# Altium PCB PCBrm.PcbDoc (part 7 of 7)
Units mm, origin at the board's own origin, x right, y up, seen from the top; angles counter-clockwise.
Board outline 220.73 x 137.67 mm, 2 copper layers (Top Layer, Bottom Layer); 138 components, 115 nets, 746 pads, 210 vias.
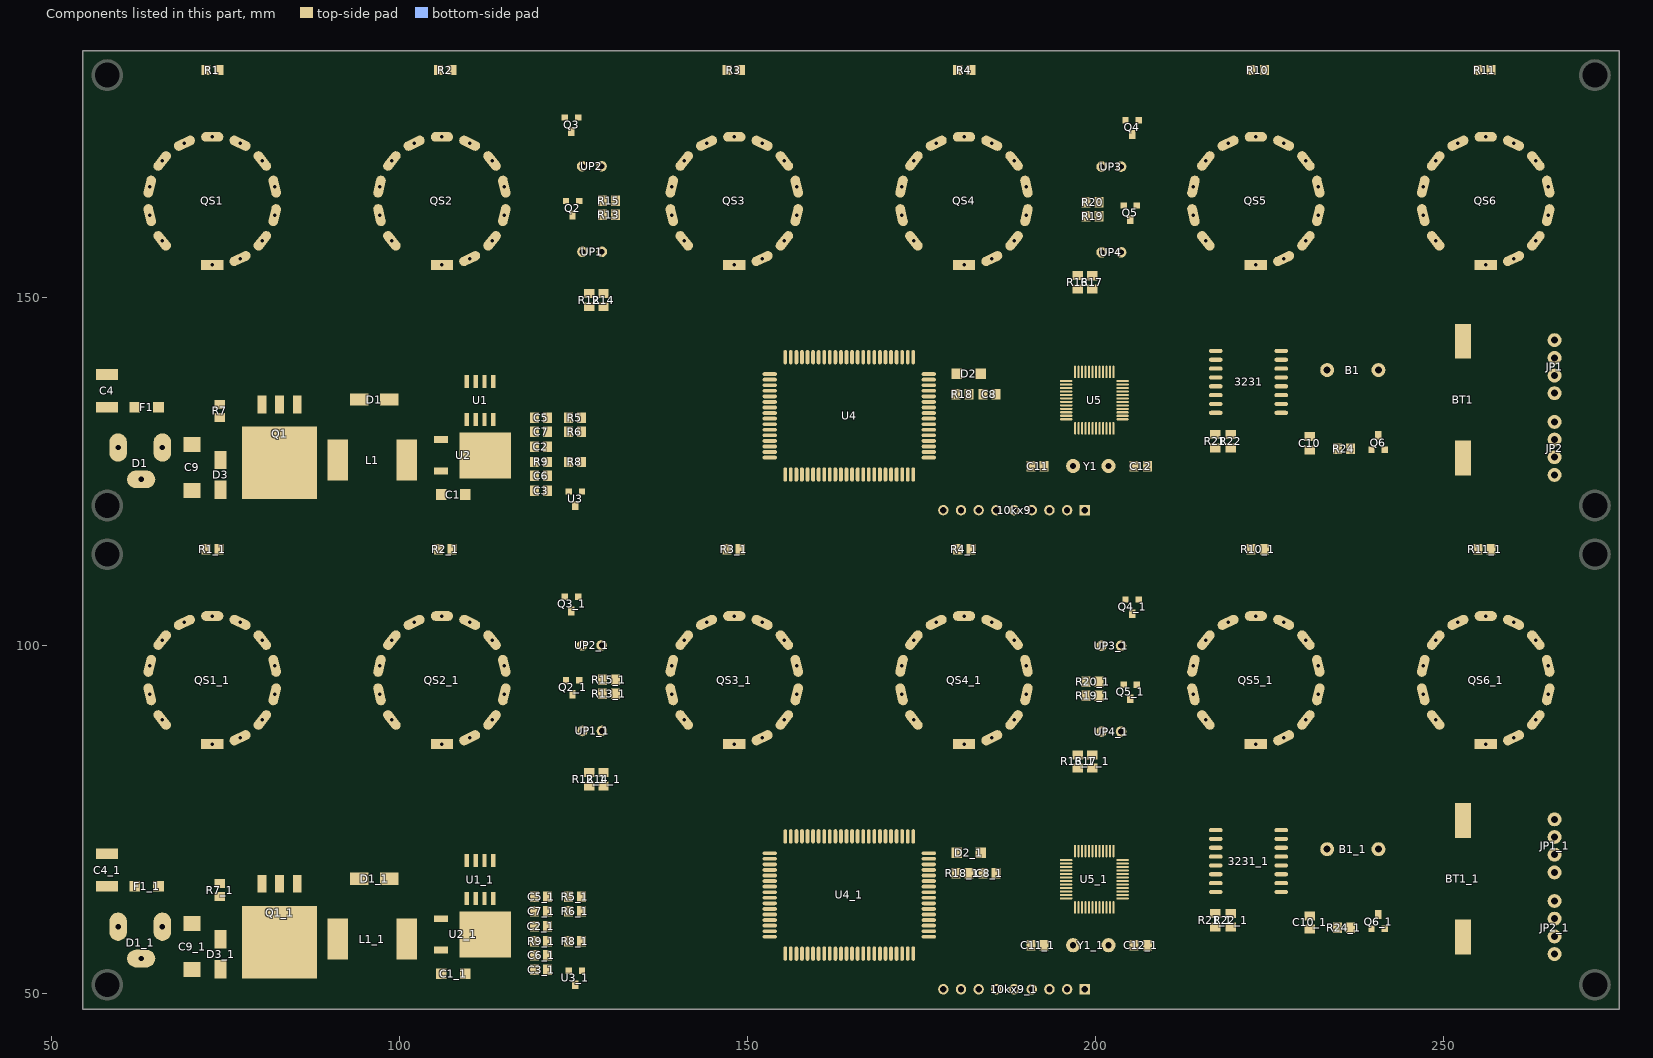
[diagram p7: the components of this part, seen from the top]

## Via types
v1: diameter 1.27, hole 0.711, Top Layer to Bottom Layer, 118 vias
v2: diameter 1.016, hole 0.711, Top Layer to Bottom Layer, 52 vias
v3: diameter 0.61, hole 0.381, Top Layer to Bottom Layer, 40 vias

## Nets (pads, with @x,y where several pads share a name; then routed paths per layer and width w, separated by ;. In a path a pad name is that pad's centre, name@x,y a point inside that pad or via, vN(x,y) a via of type N, cw(c..) or ccw(c..) an arc to the next point about the centre after c; other vN are vias at no path point) (continued)
copper on no net: (continued)
  Top Layer w0.508: 57.963,65.405 55.296,68.072 55.296,71.196 56.982,72.883 122.022,72.883 123.647,74.508 123.647,95.146 123.711,95.209 123.711,106.995 123.736,107.02 123.711,105.039 ; 101.01,57.821 105.237,57.821 107.467,60.051 107.467,61.465 109.652,63.65 ; 101.089,57.137 103.984,57.821 ; 101.089,58.504 103.984,57.821 ; 101.25,56.649 103.984,57.821 ; 101.25,58.992 103.984,57.821 ; v1@107.319,63.587 109.585,63.65 ; v1@107.425,64.339 109.585,63.65 ; 108.269,62.267 109.652,63.65 ; 109.652,68.489 109.652,67.752 ; 109.652,69.111 109.652,67.752 ; 110.922,69.111 110.922,68.082 ; 112.065,66.939 110.922,68.489 ; 113.462,63.65 119.093,63.65 119.36,63.917 ; v1@118.127,65.95 116.002,66.33 v1@118.127,66.709 ; v1@118.194,65.95 120.32,66.33 v1@118.194,66.709 ; 118.965,57.677 119.36,59.815 ; 118.965,57.678 119.344,59.6 ; 118.965,61.722 119.344,59.8 ; 118.965,61.723 119.36,59.585 ; 118.966,57.396 119.37,55.635 ; 118.966,57.4 119.36,55.545 ; 118.966,57.482 118.976,55.674 ; 118.966,57.598 118.951,59.559 ; 118.966,61.802 118.951,59.841 ; 118.966,61.917 118.966,63.777 ; 118.966,61.999 119.36,63.917 ; 118.966,62.001 119.36,63.817 ; 118.976,55.394 119.37,53.501 ; 118.976,55.398 119.36,53.411 ; 118.976,55.475 118.975,53.537 ; 118.981,57.757 119.739,59.565 ; 118.981,61.644 119.739,59.835 ; 118.984,62.084 119.754,63.777 ; 118.986,57.311 119.763,55.678 ; 118.992,55.315 119.764,53.541 ; 119.279,64.304 117.118,63.65 ; 119.37,55.535 119.36,55.545 ; 119.372,63.521 117.118,63.65 ; 119.735,57.315 118.976,55.674 ; 119.735,62.084 118.966,63.777 ; 119.737,57.762 118.951,59.559 ; 119.737,61.638 118.951,59.841 ; 119.747,55.315 118.975,53.537 ; 119.753,57.487 119.763,55.678 ; 119.754,57.604 119.739,59.565 ; 119.754,57.677 119.36,59.815 ; 119.753,57.684 119.344,59.6 ; 119.753,61.716 119.344,59.8 ; 119.754,61.723 119.36,59.585 ; 119.754,61.796 119.739,59.835 ; 119.753,61.917 119.754,63.777 ; 119.754,61.999 119.36,63.917 ; 119.753,62.001 119.36,63.817 ; 119.764,55.475 119.764,53.541 ; 123.647,93.004 123.888,95.032 123.711,97.061 ; 124.019,63.686 122.132,65.162 ; 124.236,64.017 122.132,65.162 ; 124.396,64.379 122.132,65.162 ; 124.676,102.829 124.676,104.811 ; 124.676,104.988 124.676,101.496 ; 124.828,90.841 124.828,92.822 ; 124.828,93 124.828,89.101 ; 125.743,61.917 125.742,63.777 ; 125.742,61.999 126.136,63.917 ; 125.743,62.001 126.136,63.817 ; 125.761,62.084 126.53,63.777 ; 125.82,99.703 124.676,101.496 ; 125.869,87.412 124.828,89.101 ; 126.162,100.01 124.676,101.496 ; 126.213,87.716 124.828,89.101 ; 126.213,100.025 124.676,101.496 ; 126.263,87.732 124.828,89.101 ; 126.512,62.084 125.742,63.777 ; 126.518,100.432 124.676,101.496 ; 126.53,61.917 126.53,63.777 ; 126.53,61.999 126.136,63.917 ; 126.53,62.001 126.136,63.817 ; 126.564,88.141 124.828,89.101 ; 176.017,70.171 179.965,70.171 180.035,70.241 ; 176.767,70.171 178.566,70.171 ; 179.507,67.455 180.035,69.577 ; 179.528,70.207 179.933,67.952 ; 179.528,70.275 179.625,67.929 ; 179.53,70.185 180.035,67.955 180.54,70.185 ; 179.537,70.143 180.23,67.945 ; 179.898,67.295 180.035,67.432 180.035,70.241 ; 179.898,67.395 180.035,69.577 ; 179.963,70.744 177.747,70.171 ; 179.994,69.735 177.747,70.171 ; 180.294,67.406 180.035,69.577 ; 180.523,70.099 179.625,67.929 ; 180.537,70.162 179.933,67.952 ; 180.543,70.228 180.23,67.945 ; 216.57,67.142 215.544,67.142 ; 217.245,67.142 215.544,67.142 ; 241.516,59.319 251.536,59.319 252.507,58.608 ; 252.546,75.362 249.963,76.361 ; 252.624,77.129 249.963,76.361 ; 252.686,75.854 249.963,76.361 ; 252.72,76.627 249.963,76.361 ; 252.73,58.125 249.634,59.319 252.937,58.997 ; 252.73,76.239 249.963,76.361 ; 109.585,63.65 v1(107.34,63.967) 107.391,63.967 107.709,63.65 109.652,63.65 ; 109.652,67.752 112.229,65.175 122.12,65.175 123.378,63.917 ; 110.922,68.082 112.674,66.33 123.942,66.33 126.136,64.135 126.136,63.917 ; 110.922,68.082 110.922,68.489 ; 110.922,68.082 110.922,68.489 ; 117.118,63.65 119.36,63.917 ; 118.951,59.559 119.36,57.541 ; 118.951,59.559 119.36,57.641 ; 118.951,59.841 119.36,61.859 ; 118.951,59.841 119.36,61.759 ; 118.966,63.777 119.36,61.859 ; 118.966,63.777 119.36,61.959 ; 118.975,53.537 119.36,55.545 ; 118.975,53.537 119.37,55.435 ; 118.976,55.674 119.36,57.541 ; 118.976,55.674 119.36,57.441 ; 119.344,59.6 119.36,57.541 ; 119.344,59.6 119.36,57.641 ; 119.344,59.8 119.36,61.859 ; 119.344,59.8 119.36,61.759 ; 119.36,53.411 119.36,55.545 ; 119.36,53.411 119.764,55.394 119.37,53.501 ; 119.36,53.411 119.37,55.435 ; 119.36,55.545 119.36,57.541 ; 119.36,55.545 119.764,53.541 ; 119.36,55.545 119.37,53.501 ; 119.36,55.545 119.753,57.4 119.37,55.635 ; 119.36,55.545 119.36,57.441 ; 119.36,57.441 119.763,55.678 ; 119.36,57.441 119.37,55.635 ; 119.36,57.541 119.36,61.859 ; 119.36,57.541 119.739,59.565 ; 119.36,57.541 119.763,55.678 ; 119.36,57.541 119.37,55.635 ; 119.36,57.641 119.36,59.815 ; 119.36,57.641 119.739,59.565 ; 119.36,59.585 119.36,61.759 ; 119.36,61.759 119.739,59.835 ; 119.36,61.859 119.36,63.917 ; 119.36,61.859 119.739,59.835 ; 119.36,61.859 119.754,63.777 ; 119.36,61.859 119.36,63.817 ; 119.36,61.959 119.36,63.917 ; 119.36,61.959 119.754,63.777 ; 119.36,61.959 119.36,63.817 ; 119.37,53.501 119.37,55.435 ; 119.37,55.435 119.764,53.541 ; 123.378,63.917 124.236,63.917 ; 123.378,63.917 124.145,63.531 123.378,63.917 ; 123.378,63.917 124.145,64.302 123.378,63.917 ; 123.378,63.917 124.236,63.917 ; 123.378,63.917 124.236,63.917 ; 125.742,63.777 126.136,61.859 ; 125.742,63.777 126.136,61.959 ; 126.136,61.859 126.136,63.917 ; 126.136,61.859 126.53,63.777 ; 126.136,61.859 126.136,63.817 ; 126.136,61.959 126.136,63.917 ; 126.136,61.959 126.53,63.777 ; 126.136,61.959 126.136,63.817 ; 177.747,70.171 180.035,70.241 ; 179.625,67.929 180.035,70.241 ; 179.933,67.952 180.035,70.241 ; 180.035,70.241 180.23,67.945 ; 215.544,67.142 214.63,68.057 214.63,73.061 218.77,77.201 249.123,77.201 251.435,74.889 ; 251.435,74.889 252.73,74.889 251.435,74.889 ; 251.435,74.889 252.42,74.049 251.435,74.889 ; 251.435,74.889 252.42,75.73 251.435,74.889 ; 251.435,74.889 252.672,74.506 251.435,74.889 ; 251.435,74.889 252.672,75.273 251.435,74.889
  Top Layer w0.635: 69.81,54.168 66.798,52.741 ; 70.055,53.446 66.798,52.741 ; 70.13,52.687 66.798,52.741 ; 70.293,54.208 73.321,53.875 ; 70.322,52.683 73.309,53.131 ; 70.389,54.204 73.291,53.499 ; 70.403,52.69 73.29,53.446 ; 70.403,54.202 73.29,53.446 ; 70.416,52.691 73.291,53.499 ; 70.48,54.188 73.309,53.131 ; 70.506,52.71 73.321,53.875 ; 73.982,54.455 76.225,55.484 ; 74.016,63.689 76.14,61.935 ; 74.197,54.081 71.487,53.446 ; 74.23,52.972 71.487,53.446 ; 74.264,63.6 76.798,63.932 ; 74.264,64.264 76.798,63.932 ; 74.27,53.978 76.225,55.484 ; 74.497,64.146 76.14,61.935 ; 74.657,53.577 76.225,55.484 ; 80.213,65.161 78.349,63.932 ; 80.213,65.796 78.349,63.932 ; 112.319,58.506 116.51,54.315 v1(117.272,55.077) ; 113.366,57.597 109.398,52.868 118.816,52.868 ; 119.293,53.725 116.403,52.868 ; 119.37,53.401 116.403,52.868 ; 119.411,53.071 116.403,52.868 ; 176.064,65.418 182.129,65.418 183.784,67.073 183.784,67.295 183.464,67.615 183.907,70.204 ; 183.452,67.375 183.464,70.012 ; 183.464,70.241 184.404,70.241 v2(186.284,72.121) ; 183.784,67.395 183.464,70.012 ; 184.111,67.456 183.464,70.012 ; v1(191.287,62.001) 193.345,59.944 v1(193.345,58.989) ; 212.928,53.299 208.625,48.997 130.49,48.997 126.187,53.299 126.251,53.236 126.251,50.396 125.916,50.061 117.513,50.061 v1(117.272,50.302) 116.357,51.217 110.977,51.217 110.66,50.899 64.732,50.899 62.89,52.741 69.475,52.741 69.856,53.122 70.18,53.446 74.187,53.446 74.27,53.528 ; 212.979,53.299 251.181,53.299 ; 252.73,58.125 252.73,54.849 251.181,53.299 ; 256.805,113.52 v1(259.232,113.69) ; 256.849,114.182 v1(259.232,113.69) ; 265.383,56.117 263.566,53.34 266.343,55.157 ; 265.913,67.422 268.605,67.422 270.612,65.415 270.612,60.386 265.913,55.687 263.525,53.299 251.181,53.299 ; 70.305,53.446 73.309,53.131 ; 70.305,53.446 71.487,53.446 ; 70.305,53.446 73.321,53.875 ; 70.305,53.446 71.487,53.446 ; 70.305,53.446 73.291,53.499 ; 70.305,53.446 71.487,53.446 ; 70.305,53.446 73.29,53.446 ; 70.551,52.724 71.487,53.446 ; 70.551,52.724 71.487,53.446 ; 70.551,52.724 71.487,53.446 ; 70.551,54.168 71.487,53.446 ; 70.551,54.168 71.487,53.446 ; 70.551,54.168 71.487,53.446 ; 71.487,53.446 74.27,53.528 ; 74.27,53.528 76.225,55.484 ; 76.14,61.935 74.243,63.932 76.798,63.932 ; 76.225,55.484 76.225,61.849 74.143,63.932 78.349,63.932 ; v1(259.232,113.69) 256.967,113.69 256.804,113.853 v1(259.232,113.69)
  Top Layer w0.762: 57.023,69.901 57.963,69.901 ; 57.201,65.456 59.563,63.094 59.563,59.614 59.563,58.344 62.865,55.042 62.865,53.122 69.856,53.122 ; v1(57.556,67.92) 57.963,68.326 57.963,69.901 ; 57.963,70.104 57.963,69.901 ; 61.925,65.43 61.925,66.37 63.043,67.488 67.422,67.488 v2(70.18,64.729) 70.18,60.056 72.042,60.056 ; 65.354,65.43 65.354,59.715 65.735,59.334 ; v2(67.945,115.301) 69.393,113.853 72.151,113.853 ; 69.485,60.128 70.18,63.422 70.875,60.128 ; 70.305,60.056 72.042,60.056 ; 70.446,59.371 72.042,60.056 ; 70.446,60.74 72.042,60.056 ; 73.929,57.92 72.042,60.056 ; 74.051,110.817 74.051,113.753 ; 74.051,111.275 v2(73.609,108.341) 74.051,108.783 74.051,113.853 74.051,114.031 ; 74.143,65.832 77.099,65.832 ; 74.243,65.832 77.099,65.832 ; 74.27,57.828 72.042,60.056 ; 74.27,58.278 72.042,60.056 ; 74.543,58.689 72.042,60.056 ; 82.753,62.24 82.753,65.161 ; 82.753,65.796 82.753,57.414 ; 82.944,57.414 90.439,57.821 ; 82.957,58.43 90.439,57.821 ; 83.058,59.188 90.439,57.821 ; 83.067,56.406 90.439,57.821 ; 83.237,59.937 90.439,57.821 ; 83.25,55.663 90.439,57.821 ; 83.495,60.67 90.439,57.821 ; 83.508,54.938 90.439,57.821 ; 83.83,61.38 90.439,57.821 ; 83.843,54.237 90.439,57.821 ; 84.245,62.061 90.439,57.821 ; 84.254,53.567 90.439,57.821 ; 84.74,52.935 90.439,57.821 ; 85.293,66.431 85.293,67.625 ; 86.074,65.796 v1(89.027,65.999) 88.824,65.796 85.293,65.796 85.293,67.625 ; 90.052,59.474 91.11,63.057 ; 90.549,58.731 87.501,56.224 ; 90.552,56.909 87.499,59.404 ; 90.629,58.776 87.448,56.576 ; 90.633,56.864 87.446,59.049 ; 90.694,57.305 87.672,55.449 ; 90.712,58.813 87.411,56.912 ; 90.716,56.827 87.41,58.711 ; 90.796,58.842 87.389,57.235 ; 90.801,56.797 87.388,58.386 ; 90.812,57.347 87.575,55.851 ; 90.814,58.293 87.573,59.783 ; 90.887,56.775 87.376,58.07 ; 90.91,58.871 87.375,57.654 ; 90.957,56.763 87.374,57.821 90.957,58.879 ; 91.004,56.757 87.375,57.654 ; 91.028,58.886 87.376,58.07 ; 91.088,60.389 87.573,59.783 ; 91.09,55.252 87.575,55.851 ; 91.119,58.89 87.388,58.386 ; 91.124,56.752 87.389,57.235 ; 91.211,58.885 87.41,58.711 ; 91.213,55.257 87.672,55.449 ; 91.217,56.757 87.411,56.912 ; 91.306,58.871 87.446,59.049 ; 91.311,56.771 87.448,56.576 ; 91.402,58.849 87.499,59.404 ; 91.406,56.793 87.501,56.224 ; 92.168,59.474 91.11,63.057 ; 93.328,66.79 91.692,64.016 ; 93.733,66.507 91.692,64.016 ; 94.09,66.166 91.692,64.016 ; 94.183,66.507 91.11,63.434 91.11,57.821 ; 97.628,66.225 95.992,68.999 ; 98.033,66.507 95.992,68.999 ; 98.39,66.849 95.992,68.999 ; 98.933,66.507 102.094,66.507 ; 98.972,66.015 102.094,66.507 ; 98.972,67 102.094,66.507 ; v2(102.464,115.301) 104.155,115.301 ; 105.345,66.934 v2(103.302,64.729) ; 105.603,113.853 104.155,115.301 ; 105.603,113.953 104.155,115.301 ; 105.956,60.756 105.956,62.075 v2(103.302,64.729) ; v1(107.34,65.999) 110.109,65.999 110.922,65.187 ; 107.503,113.953 v2(110.388,114.209) 107.503,114.209 ; 110.922,63.65 110.922,65.187 ; 110.922,64.272 110.922,65.187 ; 112.192,69.111 112.179,69.124 112.179,69.984 111.49,70.673 ; 112.192,69.733 111.49,70.673 ; 117.021,70.394 113.462,69.111 113.462,70.394 ; 126.136,57.541 129.134,60.538 129.134,64.78 122.276,71.638 111.961,71.638 111.91,71.689 108.663,71.689 103.482,66.507 98.483,66.507 94.013,70.978 78.994,70.978 77.917,69.901 57.963,69.901 ; 126.136,57.641 128.403,59.808 ; 131.023,93.15 131.023,95.082 131.023,97.175 147.03,113.182 147.03,113.853 144.577,113.853 v2(143.078,115.352) ; 144.954,111.106 147.03,113.753 ; 148.93,113.753 151.44,111.867 ; 149.225,114.082 152.017,111.29 152.017,107.034 159.051,99.999 159.051,91.082 155.173,87.204 ; 152.017,86.743 152.478,87.204 155.173,87.204 ; 152.878,87.148 155.173,87.204 ; 153.053,86.908 cw(c153.769,86.192) 153.769,87.204 ; v2(175.971,115.275) 177.394,113.853 180.177,113.853 ; 181.762,70.331 181.798,67.395 ; v1(181.762,72.553) 181.762,67.33 181.798,67.295 ; 182.077,113.753 182.245,110.807 ; 182.245,114.082 182.245,109.525 192.071,99.699 192.071,91.082 188.172,87.183 ; 185.037,86.743 185.477,87.183 188.172,87.183 ; 185.879,87.148 188.172,87.183 ; 186.073,86.908 cw(c186.738,86.242) 186.738,87.183 ; v1(193.37,82.789) 193.37,84.516 198.592,89.738 198.592,92.822 198.592,94.828 197.155,96.266 197.155,99.502 v1(197.206,99.553) ; 198.592,89.786 198.592,92.722 ; 200.492,89.786 200.492,92.722 ; 200.492,90.786 200.838,87.655 ; 200.492,92.822 200.492,87.935 200.787,87.64 ; 200.492,94.828 200.492,99.665 200.787,99.959 ; 200.492,94.928 200.492,97.864 ; 200.492,96.839 200.838,99.974 ; v2(219.227,115.326) 220.701,113.853 222.316,113.853 ; 224.155,114.082 227.082,111.155 255.719,111.155 267.335,99.538 267.335,90.61 259.692,82.967 230.723,82.967 226.947,86.743 ; 224.216,113.753 226.55,111.687 ; 224.536,114.082 ccw(c225.456,114.082) 224.805,113.431 ; 227.315,87.133 ccw(c229.145,87.133) 227.851,85.839 ; 227.56,86.218 226.998,86.758 ; 228.077,87.133 ccw(c231.747,87.133) 229.152,84.538 ; 228.568,85.298 226.998,86.758 ; 229.105,84.585 226.998,86.758 ; v2(252.527,114.056) 252.73,113.853 254.904,113.853 ; 77.099,65.832 80.162,68.895 84.023,68.895 85.293,67.625 ; 82.753,57.414 83.16,57.821 91.11,57.821 ; 82.753,57.414 82.753,64.907 ; 82.753,64.907 78.184,58.968 82.753,64.907 ; 82.753,64.907 87.322,58.968 82.753,64.907 ; 82.753,64.907 78.841,58.516 82.753,64.907 ; 82.753,64.907 86.665,58.516 82.753,64.907 ; 82.753,64.907 79.532,58.142 82.753,64.907 ; 82.753,64.907 85.974,58.142 82.753,64.907 ; 82.753,64.907 80.25,57.845 82.753,64.907 ; 82.753,64.907 85.256,57.845 82.753,64.907 ; 82.753,64.907 80.988,57.625 82.753,64.907 ; 82.753,64.907 84.519,57.625 82.753,64.907 ; 82.753,64.907 81.74,57.483 82.753,64.907 ; 82.753,64.907 83.767,57.483 82.753,64.907 ; 87.375,57.654 91.11,57.821 ; 87.376,58.07 91.11,57.821 ; 87.388,58.386 91.11,57.821 ; 87.389,57.235 91.11,57.821 ; 87.41,58.711 91.11,57.821 ; 87.411,56.912 91.11,57.821 ; 87.446,59.049 91.11,57.821 ; 87.448,56.576 91.11,57.821 ; 87.499,59.404 91.11,57.821 ; 87.501,56.224 91.11,57.821 ; 87.573,59.783 91.11,59.321 91.11,63.057 ; 87.575,55.851 91.11,56.321 87.672,55.449 ; v2(103.302,64.729) 103.302,64.891 109.084,70.673 111.49,70.673 ; 113.462,70.394 121.957,70.394 127.421,64.93 127.421,60.846 126.619,60.043 126.34,60.043 124.236,57.939 124.236,57.541 121.26,57.541 121.27,57.531 ; 113.462,70.394 113.462,69.733 113.462,70.394 ; 121.244,61.844 121.244,59.7 121.26,61.759 121.244,59.8 121.244,61.844 ; 121.244,61.844 121.26,61.859 124.236,61.859 ; 121.27,57.531 121.27,55.535 121.26,57.441 121.27,55.635 121.27,57.531 ; v1(123.647,59.649) 124.236,60.239 ; v1(123.647,59.649) 124.236,61.859 ; v1(123.647,59.649) 124.236,61.759 124.236,60.239 ; 124.236,60.239 124.236,61.859
  Bottom Layer w0.203: v1(180.188,63.627) 180.34,63.475 180.34,58.293 v1(182.855,55.778)
  Bottom Layer w0.254: 63.099,95.375 cw(c61.956,94.232) 63.542,93.923 ; 63.293,93.971 ccw(c61.391,94.342) 62.761,95.712 ; 63.34,93.792 63.484,94.757 ; 63.365,93.689 63.223,94.972 ; 63.368,93.681 63.034,95.439 ; 63.436,95.037 cw(c62.521,94.122) 63.792,93.874 ; 63.455,91.324 ccw(c65.271,93.14) 65.271,90.572 ; 63.6,93.788 63.484,94.757 ; 63.615,93.747 63.034,95.439 ; 63.617,93.743 63.223,94.972 ; 63.735,98.016 64.137,99.494 ; 63.74,98.058 64.198,99.163 ; 63.774,94.699 cw(c63.086,94.012) 64.041,93.826 ; 63.851,98.361 ccw(c63.159,99.053) 64.137,99.053 ; 63.889,90.891 ccw(c65.271,92.273) 65.271,90.318 ; 63.988,97.969 64.137,99.494 ; 63.988,97.985 64.198,99.163 ; 64.056,92.984 64.056,94.418 62.761,95.712 ; 64.056,97.079 64.137,97.16 64.137,101.101 68.859,105.823 77.364,105.823 77.368,105.827 94.678,105.827 99.755,110.903 128.502,110.903 136.237,103.168 136.237,90.048 146.139,80.147 146.244,80.147 163.52,62.871 163.52,62.707 168.072,58.155 ; 64.137,99.013 ccw(c65.313,99.013) 64.481,98.182 ; 64.137,99.626 ccw(c65.926,99.626) 64.661,98.361 ; 64.154,94.078 63.223,94.972 ; 64.167,94.06 63.484,94.757 ; 64.17,94.057 63.034,95.439 ; 64.313,94.281 63.223,94.972 ; 64.322,90.457 ccw(c65.271,91.406) 65.271,90.064 ; 64.327,94.265 63.484,94.757 ; 64.355,94.233 63.034,95.439 ; 64.618,98.042 64.198,99.163 ; 64.618,98.04 64.137,99.494 ; 64.848,98.159 64.198,99.163 ; 64.854,98.14 64.137,99.494 ; 64.902,89.624 64.191,90.81 ; 64.931,89.595 64.294,90.58 ; 64.946,89.582 63.981,90.799 ; 65.109,89.776 64.191,90.81 ; 65.131,89.758 64.294,90.58 ; 65.133,89.757 63.981,90.799 ; 65.436,90.312 64.294,90.58 ; 65.454,90.305 63.981,90.799 ; 65.467,90.569 64.294,90.58 ; 65.474,90.295 64.191,90.81 ; 65.515,90.554 63.981,90.799 ; 65.547,90.541 64.191,90.81 ; 65.832,89.296 65.484,89.296 62.253,92.526 62.253,100.654 68.438,106.839 76.943,106.839 76.947,106.843 94.257,106.843 99.334,111.919 129.035,111.919 137.253,103.702 137.253,90.469 146.56,81.163 146.665,81.163 164.536,63.291 164.536,63.128 169.132,58.532 169.296,58.532 169.697,58.13 ; 65.832,100.768 67.126,102.062 67.126,103.372 69.069,105.315 77.575,105.315 77.578,105.319 94.889,105.319 99.965,110.395 128.248,110.395 135.729,102.914 135.729,89.838 145.928,79.639 146.034,79.639 163.012,62.66 163.012,62.435 167.386,58.061 v3(167.386,57.871) 167.089,58.315 ; 69.033,103.321 69.203,103.151 74.373,103.151 75.11,103.888 75.11,104.165 75.752,104.807 77.785,104.807 77.788,104.811 95.099,104.811 100.176,109.887 127.994,109.887 135.221,102.66 135.221,89.627 145.718,79.131 145.823,79.131 162.504,62.45 162.504,62.225 166.522,58.206 ; 69.786,103.164 71.356,103.151 ; 69.809,103.419 71.356,103.151 ; 69.895,103.726 71.356,103.151 ; 70.041,104.01 71.356,103.151 ; 70.199,104.212 71.356,103.151 ; 77.017,103.321 77.999,104.303 95.309,104.303 100.386,109.379 127.765,109.379 134.713,102.432 134.713,89.417 145.507,78.623 145.613,78.623 161.996,62.239 161.996,61.763 v3(165.837,57.922) ; 77.877,88.428 ccw(c77.877,90.372) 79.252,88.997 ; 78.49,88.428 ccw(c78.49,89.758) 79.431,88.817 ; 78.67,88.428 cw(c78.67,87.605) 79.252,88.187 ; 79.537,89.154 78.38,88.494 ; 79.57,89.163 77.786,88.428 ; 79.632,88.039 78.38,88.494 ; 79.643,88.919 78.38,88.494 ; 79.652,88.921 77.786,88.428 ; 79.676,88.035 77.786,88.428 ; 79.696,88.288 78.38,88.494 ; 79.711,88.288 77.786,88.428 ; 79.942,101.254 81.288,101.838 ; 80.065,101.028 81.288,101.838 ; 80.218,89.296 79.35,88.428 69.977,88.428 69.007,87.458 65.983,87.458 61.745,91.696 61.745,100.865 68.228,107.347 76.733,107.347 76.736,107.351 94.047,107.351 99.123,112.427 129.264,112.427 137.761,103.93 137.761,90.68 146.769,81.671 146.875,81.671 170.612,57.934 v3(170.612,57.795) ; 80.218,100.768 83.245,103.795 95.52,103.795 100.596,108.871 127.486,108.871 134.163,102.194 134.163,89.248 145.244,78.167 ; 80.269,100.783 81.288,101.838 ; 80.521,100.588 81.288,101.838 ; 80.75,100.473 81.288,101.838 ; 81.644,98.508 83.167,98.773 ; 81.708,98.26 83.167,98.773 ; 81.712,97.56 83.152,98.236 ; 81.714,98.529 83.209,98.587 ; 81.746,98.275 83.209,98.587 ; 81.784,98.285 83.173,98.391 ; 81.788,98.542 83.173,98.391 ; 81.794,97.005 ccw(c81.794,97.311) 82.01,97.095 ; 81.794,97.259 ccw(c81.794,98.178) 82.444,97.528 ; 81.794,97.513 ccw(c81.794,99.046) 82.878,97.962 ; 81.794,97.767 ccw(c81.794,99.913) 83.311,98.396 ; 81.794,98.021 ccw(c81.794,100.78) 83.745,98.829 ; 81.794,98.275 ccw(c81.794,101.647) 84.178,99.263 ; 81.794,98.529 ccw(c81.794,102.514) 84.612,99.696 ; 81.839,97.338 83.152,98.236 ; 81.975,97.68 83.173,98.391 ; 81.994,92.984 91.789,102.779 95.968,102.779 97.586,104.396 97.586,104.424 101.017,107.855 113.744,107.855 121.031,100.569 121.031,81.388 125.32,77.099 144.982,77.099 160.472,61.608 160.472,60.951 163.278,58.145 ; 81.994,97.079 88.202,103.287 95.758,103.287 97.078,104.607 97.078,104.635 100.807,108.363 113.955,108.363 121.539,100.779 121.539,81.598 125.531,77.607 145.192,77.607 160.98,61.819 160.98,61.161 164.186,57.956 v3(164.186,57.871) ; 82.006,97.696 83.209,98.587 ; 82.018,94.403 83.468,94.716 ; 82.038,97.717 83.167,98.773 ; 82.045,97.094 83.152,98.236 ; 82.088,94.428 83.397,94.503 ; 82.094,94.158 83.468,94.716 ; 82.105,94.433 83.499,94.489 ; 82.126,97.472 83.173,98.391 ; 82.128,94.174 83.397,94.503 ; 82.139,94.178 83.499,94.489 ; 82.176,97.504 83.209,98.587 ; 82.195,93.673 ccw(c82.195,94.851) 83.028,94.018 ; 82.195,93.927 ccw(c82.195,95.719) 83.462,94.452 ; 82.195,94.181 ccw(c82.195,96.586) 83.895,94.885 ; 82.195,94.435 ccw(c82.195,97.453) 84.329,95.319 ; 82.197,94.192 83.09,94.167 ; 82.228,97.545 83.167,98.773 ; 82.243,94.45 83.09,94.167 ; 82.295,96.896 83.152,98.236 ; 82.401,93.599 83.09,94.167 ; 82.417,93.608 83.499,94.489 ; 82.431,93.617 83.397,94.503 ; 82.453,93.635 83.468,94.716 ; 82.522,96.776 83.152,98.236 ; 82.595,93.423 83.09,94.167 ; 82.597,93.425 83.499,94.489 ; 82.622,93.446 83.397,94.503 ; 82.655,93.476 83.468,94.716 ; 95.761,94.279 ccw(c96.112,94.63) 96.457,94.273 ; 95.944,94.097 ccw(c96.291,94.444) 96.633,94.091 ; 96.126,93.914 ccw(c96.471,94.259) 96.81,93.909 ; 96.455,91.324 ccw(c98.271,93.14) 98.271,90.572 ; 96.594,93.396 95.761,94.279 ; 96.735,98.016 97.137,99.494 ; 96.74,98.057 97.198,99.163 ; 96.762,93.593 95.761,94.279 ; 96.851,98.361 ccw(c96.159,99.053) 97.137,99.053 ; 96.889,90.891 ccw(c98.271,92.273) 98.271,90.318 ; 96.906,93.877 95.761,94.279 ; 96.963,94.447 95.761,94.279 ; 96.971,94.189 95.761,94.279 ; 96.988,97.969 97.137,99.494 ; 96.988,97.985 97.198,99.163 ; 97.056,92.984 95.761,94.279 ; 97.056,97.079 97.137,97.16 97.137,101.074 99.618,103.555 99.618,103.583 101.859,105.823 112.903,105.823 118.999,99.727 118.999,80.546 124.479,75.067 144.14,75.067 158.44,60.766 158.44,59.786 160.071,58.155 ; 97.137,99.013 ccw(c98.313,99.013) 97.481,98.182 ; 97.137,99.626 ccw(c98.926,99.626) 97.661,98.361 ; 97.322,90.457 ccw(c98.271,91.406) 98.271,90.064 ; 97.618,98.042 97.198,99.163 ; 97.618,98.04 97.137,99.494 ; 97.848,98.159 97.198,99.163 ; 97.854,98.14 97.137,99.494 ; 97.902,89.624 97.191,90.81 ; 97.931,89.595 97.294,90.58 ; 97.946,89.582 96.981,90.799 ; 98.109,89.776 97.191,90.81 ; 98.132,89.758 97.294,90.58 ; 98.133,89.757 96.981,90.799 ; 98.436,90.312 97.294,90.58 ; 98.454,90.305 96.981,90.799 ; 98.467,90.569 97.294,90.58 ; 98.474,90.295 97.191,90.81 ; 98.515,90.554 96.981,90.799 ; 98.547,90.541 97.191,90.81 ; 98.832,89.296 98.484,89.296 95.253,92.526 95.253,100.626 98.602,103.976 98.602,104.003 101.438,106.839 113.324,106.839 120.015,100.148 120.015,80.967 124.899,76.083 144.561,76.083 159.456,61.187 159.456,60.37 161.671,58.155 ; 98.832,100.768 100.126,102.062 100.126,103.372 102.069,105.315 112.692,105.315 118.491,99.516 118.491,80.336 124.268,74.559 143.929,74.559 157.932,60.556 157.932,59.412 159.385,57.959 v3(159.385,57.871) ; 102.033,103.321 102.203,103.151 107.373,103.151 108.11,103.888 108.11,104.165 108.752,104.807 112.482,104.807 117.983,99.306 117.983,80.125 124.058,74.051 143.719,74.051 157.424,60.346 157.424,59.202 158.471,58.155 ; 102.786,103.164 104.356,103.151 ; 102.809,103.419 104.356,103.151 ; 102.895,103.726 104.356,103.151 ; 103.041,104.01 104.356,103.151 ; 103.199,104.212 104.356,103.151 ; 109.575,89.295 cw(c109.575,85.51) 112.252,88.187 ; 110.017,103.321 113.25,103.321 117.475,99.096 117.475,79.915 123.847,73.543 143.509,73.543 156.916,60.135 156.916,58.825 157.785,57.956 v3(157.785,57.871) ; 110.188,89.295 cw(c110.188,86.123) 112.431,88.366 ; 110.801,89.295 cw(c110.801,86.736) 112.611,88.546 ; 110.836,103.261 112.459,103.321 ; 110.838,103.262 111.996,103.249 ; 110.846,103.517 112.459,103.321 ; 110.862,103.264 112.289,103.179 ; 110.87,103.518 111.996,103.249 ; 110.874,102.884 cw(c111.927,101.83) 111.927,103.321 ; 110.9,103.518 112.289,103.179 ; 110.965,102.638 112.289,103.179 ; 110.982,102.644 112.459,103.321 ; 111.004,102.652 111.996,103.249 ; 111.053,102.704 cw(c112.54,101.217) 112.54,103.321 ; 111.083,102.41 112.289,103.179 ; 111.107,102.42 112.459,103.321 ; 111.161,102.447 111.996,103.249 ; 111.233,102.525 cw(c113.154,100.604) 113.154,103.321 ; 111.414,89.295 cw(c111.414,87.349) 112.79,88.725 ; 112.027,89.295 cw(c112.027,87.963) 112.97,88.905 ; 112.303,88.201 111.61,89.296 ; 112.357,88.154 111.463,89.208 ; 112.422,88.11 111.251,89.112 ; 112.485,88.079 111.125,88.963 ; 112.506,88.36 111.61,89.296 ; 112.536,88.338 111.463,89.208 ; 112.572,88.318 111.251,89.112 ; 112.607,88.304 111.125,88.963 ; 112.641,89.295 cw(c112.641,88.576) 113.15,89.085 ; 112.733,89.18 111.125,88.963 ; 112.747,88.924 111.125,88.963 ; 112.78,88.918 111.251,89.112 ; 112.791,89.174 111.251,89.112 ; 112.812,88.908 111.463,89.208 ; 112.843,88.896 111.61,89.296 ; 112.844,89.163 111.463,89.208 ; 112.897,89.148 111.61,89.296 ; 113.218,89.296 101.701,89.296 99.863,87.458 98.983,87.458 94.745,91.696 94.745,100.837 98.094,104.186 98.094,104.214 101.228,107.347 113.534,107.347 120.523,100.358 120.523,81.177 125.11,76.591 144.771,76.591 159.964,61.398 159.964,60.581 162.592,57.953 v3(162.592,57.861) ; 113.254,89.295 cw(c113.254,89.189) 113.329,89.264 ; 113.728,101.064 114.617,101.064 116.967,98.715 116.967,79.704 123.637,73.035 143.298,73.035 156.408,59.925 156.408,58.615 156.878,58.145 ; 114.457,91.7 115.913,90.752 ; 114.487,91.674 115.629,91.13 ; 114.612,91.904 115.913,90.752 ; 114.622,91.894 115.629,91.13 ; 114.794,91.534 cw(c114.794,90.721) 115.369,91.296 ; 114.879,95.776 116.33,94.94 ; 114.922,95.743 115.993,95.358 ; 114.994,92.984 114.994,91.67 115.951,90.714 115.951,79.284 123.216,72.019 142.877,72.019 155.392,59.504 v3(155.392,57.44) ; 114.994,97.079 114.994,96.276 116.459,94.812 116.459,79.494 123.426,72.527 143.088,72.527 155.9,59.714 155.9,58.153 v3(156.192,57.861) ; 115.023,95.988 116.33,94.94 ; 115.037,95.975 115.993,95.358 ; 115.113,92.107 ccw(c116.454,92.107) 115.506,91.159 ; 115.113,92.294 115.913,90.752 ; 115.118,92.287 115.629,91.13 ; 115.195,95.628 cw(c115.195,94.548) 115.959,95.312 ; 115.349,92.395 115.913,90.752 ; 115.363,92.366 115.629,91.13 ; 115.367,92.107 ccw(c117.321,92.107) 115.939,90.725 ; 115.507,96.399 116.33,94.94 ; 115.513,96.39 115.993,95.358 ; 115.514,96.201 ccw(c116.586,96.201) 115.828,95.443 ; 115.739,96.508 116.33,94.94 ; 115.758,96.472 115.993,95.358 ; 115.768,96.201 ccw(c117.454,96.201) 116.261,95.009 ; v1@116.55,63.007 118.161,62.888 ; v1@116.551,62.751 118.161,62.888 ; v1@116.672,62.259 118.161,62.888 ; v1@116.79,62.033 118.161,62.888 ; v1(122.18,63.498) 121.57,62.888 116.98,62.888 116.434,62.342 v1(116.592,62.501) 118.161,62.888 ; v1(130.302,61.885) 131.835,61.885 140.812,52.908 209.057,52.908 213.182,57.033 ; v1@130.325,61.632 131.699,61.885 ; v1@130.325,62.138 131.699,61.885 ; v1@130.394,61.385 131.699,61.885 ; v1@130.394,62.384 131.699,61.885 ; v1(131.216,63.078) 140.98,53.315 208.854,53.315 211.633,56.093 ; 145.297,78.115 145.402,78.115 161.488,62.029 161.488,61.539 164.871,58.155 ; v3@155.215,57.454 155.392,58.506 v3@155.569,57.454 ; v3@155.219,57.481 155.377,57.758 ; v3@155.224,57.497 155.407,57.758 ; v3@155.266,57.565 ccw(c154.963,57.869) 155.392,57.869 ccw(c155.821,57.869) v3@155.518,57.565 ; v3@155.56,57.497 155.377,57.758 ; v3@155.565,57.481 155.407,57.758 ; v3@156.814,57.433 156.878,58.145 ; v3@156.814,57.441 156.906,57.933 ; v3@156.992,57.538 v3(156.992,57.44) ; v3@157.118,57.565 cw(c157.697,58.145) 156.878,58.145 ; v3@157.159,57.501 156.906,57.933 ; v3@157.163,57.49 156.878,58.145 ; 157.421,58.32 cw(c156.973,57.871) v3@157.607,57.871 ; v3@157.627,57.79 157.522,58.189 ; v3@157.644,57.763 156.996,58.746 ; v3@157.894,58.012 157.522,58.189 ; v3@157.907,58 156.996,58.746 ; v3@158.414,57.432 158.471,58.155 ; v3@158.414,57.439 158.5,57.936 ; v3@158.592,57.538 v3(158.592,57.44) ; v3@158.717,57.566 cw(c159.299,58.155) 158.471,58.155 ; v3@158.758,57.502 158.5,57.936 ; v3@158.762,57.491 158.471,58.155 ; 159.019,58.325 cw(c158.565,57.871) v3@159.207,57.871 ; v3@159.227,57.791 159.121,58.192 ; v3@159.244,57.763 158.592,58.753 ; v3@159.41,57.846 v3(159.385,57.871) ; v3@159.495,58.011 159.121,58.192 ; v3@159.508,58 158.592,58.753 ; v3@160.014,57.439 160.1,57.936 ; v3@160.014,57.432 160.071,58.155 ; v3@160.192,57.538 v3(160.192,57.44) ; v3@160.317,57.566 cw(c160.899,58.155) 160.071,58.155 ; v3@160.358,57.502 160.1,57.936 ; v3@160.362,57.491 160.071,58.155 ; 160.619,58.325 cw(c160.165,57.871) v3@160.807,57.871 ; v3@160.827,57.791 160.721,58.192 ; v3@160.845,57.763 160.189,58.756 ; v3@161.095,58.011 160.721,58.192 ; v3@161.108,58 160.189,58.756 ; v3@161.614,57.432 161.671,58.155 ; v3@161.614,57.439 161.7,57.936 ; v3@161.792,57.538 v3(161.792,57.44) ; v3@161.917,57.566 cw(c162.5,58.155) 161.671,58.155 ; v3@161.958,57.502 161.7,57.936 ; v3@161.962,57.49 161.671,58.155 ; 162.223,58.321 cw(c161.763,57.861) v3@162.414,57.861 ; v3@162.433,57.78 162.327,58.187 ; v3@162.451,57.752 161.796,58.749 ; v3@162.703,58 162.327,58.187 ; v3@162.715,57.989 161.796,58.749 ; v3@163.214,57.433 163.278,58.145 ; v3@163.214,57.441 163.306,57.933 ; v3@163.392,57.538 v3(163.392,57.44) ; v3@163.518,57.565 cw(c164.097,58.145) 163.278,58.145 ; v3@163.559,57.501 163.306,57.933 ; v3@163.563,57.49 163.278,58.145 ; 163.823,58.319 cw(c163.375,57.871) v3@164.008,57.871 ; v3@164.027,57.79 163.923,58.188 ; v3@164.045,57.762 163.385,58.756 ; v3@164.295,58.012 163.923,58.188 ; v3@164.308,58 163.385,58.756 ; v3@164.814,57.432 164.871,58.155 ; v3@164.814,57.439 164.901,57.937 ; v3@164.992,57.538 v3(164.992,57.44) ; v3@165.117,57.566 cw(c165.701,58.155) 164.871,58.155 ; v3@165.159,57.502 164.901,57.937 ; v3@165.162,57.49 164.871,58.155 ; v3@165.659,57.922 ccw(c165.23,57.922) 165.533,58.226 ccw(c165.837,58.529) v3@165.837,58.1 ; v3@165.702,57.806 164.993,58.766 ; v3@165.953,58.057 164.993,58.766 ; v3@165.964,57.795 v3(165.837,57.922) ; v3@166.414,57.444 166.522,58.206 ; v3@166.415,57.457 166.545,57.864 ; 166.522,58.037 ccw(c167.189,58.037) v3@166.718,57.565 ; v3@166.592,57.538 v3(166.592,57.44) ; v3@166.761,57.495 166.545,57.864 ; v3@166.766,57.476 166.522,58.206 ; 166.948,58.499 cw(c166.321,57.871) v3@167.208,57.871 ; v3@167.224,57.799 167.089,58.315 ; v3@167.515,57.993 167.089,58.315 ; v3@168.014,57.432 168.072,58.155 ; v3@168.014,57.439 168.101,57.938 ; v3@168.317,57.566 cw(c168.903,58.155) 168.072,58.155 ; v3@168.359,57.502 168.101,57.938 ; v3@168.362,57.49 168.072,58.155 ; 168.646,58.3 cw(c168.192,57.846) v3@168.834,57.846 ; v3@168.853,57.765 168.748,58.167 ; v3@168.871,57.737 168.211,58.734 ; v3@169.122,57.986 168.748,58.167 ; v3@169.134,57.974 168.211,58.734 ; v3@169.608,57.399 169.697,58.13 ; v3@169.609,57.409 169.722,57.854 ; 169.697,58.043 ccw(c170.43,58.043) v3@169.912,57.525 ; v3@169.792,57.613 169.792,57.44 169.684,57.548 169.697,57.562 169.697,58.13 ; v3@169.954,57.458 169.722,57.854 ; v3@169.959,57.442 169.697,58.13 ; 170.21,58.336 cw(c169.669,57.795) v3@170.434,57.795 ; v3@170.451,57.719 170.332,58.177 ; v3@170.468,57.69 169.829,58.717 ; v3@170.733,57.925 170.332,58.177 ; v3@170.738,57.92 169.829,58.717 ; v1(178.181,58.278) 178.181,57.912 181.305,54.788 182.372,53.721 188.824,53.721 189.916,54.813 189.916,59.03 197.028,66.142 197.028,66.658 197.592,67.222 198.108,67.222 198.587,67.701 v1(207.289,67.701) ; v1@179.883,54.407 177.622,56.667 174.676,56.667 173.975,57.368 173.975,66.558 v1(178.206,66.558) 184.544,72.895 184.531,72.908 186.61,72.908 187.071,72.447 187.071,71.562 v1(189.713,68.92) ; v1(181.61,62.56) 181.127,62.56 180.721,62.154 180.721,58.451 182.479,56.693 183.233,56.693 184.353,55.573 v1(184.353,54.94) ; v2(182.88,59.157) 182.88,58.106 183.074,57.912 186.561,57.912 188.745,55.728 189.001,55.728 188.951,55.778 v1(188.849,55.778) ; v2(182.88,61.544) 181.534,61.544 181.127,61.138 181.127,58.619 182.647,57.099 184.402,57.099 v1(185.748,55.753) v1@185.903,55.753 ; v2(184.175,60.35) 181.559,60.35 181.559,58.852 182.905,57.506 185.443,57.506 187.325,55.624 v1(187.325,54.966) ; v1@189.303,68.62 188.539,70.094 ; v1@189.52,68.755 188.539,70.094 ; v1@189.878,69.113 188.539,70.094 ; v1@190.013,69.33 188.539,70.094 ; v2(193.421,69.225) 200.06,69.225 200.593,68.692 211.557,68.692 220.802,77.937 256.788,77.937 264.227,70.498 264.227,60.643 265.913,58.958 265.913,58.227 ; v2@193.478,68.849 194.691,69.225 v2@193.478,69.602 ; v1@195.167,81.985 196.571,81.29 ; v1@195.299,82.204 196.571,81.29 ; v1(195.463,82.398) 196.571,81.29 ; v1@195.657,82.562 196.571,81.29 ; v1@195.876,82.694 196.571,81.29 ; v2(197.18,72.68) 200.762,69.098 211.303,69.098 220.548,78.344 256.956,78.344 264.633,70.666 264.633,62.046 ; v1(197.942,66.279) 206.07,66.279 v1(206.172,66.177) ; v1@197.965,66.026 199.339,66.279 ; v1@197.965,66.532 199.339,66.279 ; v1@198.035,65.779 199.339,66.279 ; v1@198.035,66.778 199.339,66.279 ; v2@198.11,72.902 198.933,73.569 ; v2@198.758,72.525 198.933,73.569 ; v2@199.386,72.352 200.665,71.607 v2@199.92,72.887 ; v2(199.619,72.654) 202.768,69.505 210.795,69.505 220.04,78.75 257.124,78.75 265.913,69.962 ; v1(202.524,82.398) 208.813,76.109 v2(208.813,70.775) ; v1@205.672,66.085 206.172,64.78 ; v1@205.919,66.154 206.172,64.78 ; v1@206.044,65.685 204.767,66.279 ; v1@206.116,66.682 204.767,66.279 ; v1@206.131,65.927 204.767,66.279 ; v1@206.167,66.431 204.767,66.279 ; v1@206.425,66.154 206.172,64.78 ; v1@206.671,66.085 206.172,64.78 ; v1@206.751,58.807 206.172,60.284 ; v2@206.786,70.756 207.162,71.968 v2@207.539,70.756 ; v1@206.926,58.63 208.443,58.013 ; v1@206.98,58.919 206.172,60.284 ; v1@207.04,58.858 208.443,58.013 ; v2(207.162,70.698) 207.162,77.125 202.997,81.29 196.571,81.29 ; v1@207.197,67.202 205.892,67.701 ; v1@207.197,68.201 205.892,67.701 ; v1@207.266,67.448 205.892,67.701 ; v1@207.266,67.954 205.892,67.701 ; v1@207.366,59.247 208.443,58.013 ; v1@207.369,59.243 206.172,60.284 ; v1@207.442,59.014 209.652,56.805 v1(209.804,56.957) 208.508,57.948 ; v1@207.521,59.449 206.172,60.284 ; v1@207.571,59.399 208.443,58.013 ; v2@208.437,70.832 208.813,72.045 v2@209.19,70.832 ; v1@209.304,59.386 209.804,60.691 ; v1@209.304,62.249 209.804,60.945 ; v1@209.436,56.606 208.508,57.948 ; v1@209.551,59.317 209.804,60.691 ; v1@209.551,62.319 209.804,60.945 ; v1@209.584,66.85 210.845,67.406 ; v1@209.634,56.768 208.508,57.948 ; v1@209.708,66.627 210.845,67.406 ; v1(209.804,59.294) v1(209.804,62.342) ; v1(209.871,66.431) 210.845,67.406 ; v1@209.942,57.17 208.508,57.948 ; v1@210.046,57.404 208.508,57.948 ; v1@210.057,59.317 209.804,60.691 ; v1@210.057,62.319 209.804,60.945 ; v1@210.066,66.269 210.845,67.406 ; v1@210.29,66.144 210.845,67.406 ; v1@210.304,59.386 209.804,60.691 ; v1@210.304,62.249 209.804,60.945 ; v2@211.252,67.349 211.43,66.041 ; 211.43,56.119 v2@211.43,67.371 ; v2(211.633,67.346) 211.43,66.041 ; v1@211.843,59.885 212.319,61.199 ; v1@211.843,64.799 212.319,63.484 ; v2@211.997,67.233 211.43,66.041 ; v1@212.091,59.82 212.319,61.199 ; v1@212.091,64.863 212.319,63.484 ; v1@212.596,59.829 212.319,61.199 ; v1@212.596,64.854 212.319,63.484 ; v2@212.816,67.214 213.36,66.021 ; v1@212.842,59.903 212.319,61.199 ; v1@212.842,64.78 212.319,63.484 ; v2(213.182,67.32) 213.36,66.021 ; 213.36,57.008 v2@213.36,67.295 ; v2@213.563,67.316 213.36,66.021 ; v1(215.341,55.255) 216.383,55.255 ; v1@215.372,55.003 216.383,55.255 ; v1@215.372,55.507 216.383,55.255 ; v1(215.417,62.824) 222.451,62.824 223.418,61.857 223.418,60.894 226.568,57.744 231.851,57.744 233.248,59.141 v1(233.248,60.97) ; v1@215.44,62.571 216.814,62.824 ; v1@215.44,63.077 216.814,62.824 ; v1@215.465,54.763 216.383,55.255 ; v1@215.465,55.748 216.383,55.255 ; v1@215.51,62.325 216.814,62.824 ; v1@215.51,63.324 216.814,62.824 ; v1@222.081,61.76 221.385,60.257 ; v1@222.304,61.635 221.385,60.257 ; v1@222.678,61.293 221.385,60.257 ; v1@222.821,61.082 221.385,60.257 ; v1(227.432,75.677) 227.432,59.599 v1(227.736,59.294) ; v1@228.913,68.53 229.413,69.835 ; v1@229.16,68.461 229.413,69.835 ; v1(229.413,68.438) 229.413,74.989 227.81,76.591 220.031,76.591 211.573,68.133 211.307,68.133 210.845,67.672 210.845,67.406 ; v1@229.666,68.461 229.413,69.835 ; v1@229.912,68.53 229.413,69.835 ; v1@232.749,60.878 233.248,59.573 ; v1@232.995,60.947 233.248,59.573 ; v1@233.501,60.947 233.248,59.573 ; v1@233.748,60.878 233.248,59.573 ; 265.165,60.317 264.633,62.046 ; 265.406,60.411 264.633,62.046 ; 265.63,60.536 264.633,62.046 ; 265.696,71.656 264.151,72.502 ; 265.696,73.348 264.151,72.502 ; 265.804,71.892 264.151,72.502 ; 265.804,73.111 264.151,72.502 ; 265.875,72.139 264.151,72.502 ; 265.875,72.865 264.151,72.502 ; 266.143,61.05 264.633,62.046 ; 266.269,61.273 264.633,62.046 ; 266.363,61.515 264.633,62.046 ; 62.761,95.712 62.761,100.444 68.648,106.331 77.154,106.331 77.157,106.335 94.468,106.335 99.544,111.411 128.807,111.411 136.745,103.473 136.745,90.259 146.349,80.655 146.454,80.655 164.028,63.081 164.028,62.918 169.012,57.934 v3(169.012,57.846) ; 63.034,95.439 63.906,93.877 ; 63.223,94.972 63.906,93.877 ; 63.484,94.757 63.906,93.877 ; 63.981,90.799 65.322,90.014 ; 64.137,99.494 64.307,97.971 64.198,99.163 ; 64.191,90.81 65.322,90.014 ; 64.294,90.58 65.322,90.014 ; 77.786,88.428 79.708,88.607 78.38,88.494 ; 81.845,97.971 83.173,98.391 ; 81.845,97.971 83.167,98.773 ; 81.845,97.971 83.209,98.587 ; 82.245,93.877 83.397,94.503 ; 82.245,93.877 83.09,94.167 ; 82.245,93.877 83.468,94.716 ; 82.245,93.877 83.499,94.489 ; 95.761,94.279 95.761,100.416 99.11,103.765 99.11,103.793 101.648,106.331 113.113,106.331 119.507,99.937 119.507,80.757 124.689,75.575 144.35,75.575 158.948,60.977 158.948,59.997 160.985,57.959 v3(160.985,57.871) ; 96.981,90.799 98.322,90.014 ; 97.137,99.494 97.307,97.971 97.198,99.163 ; 97.191,90.81 98.322,90.014 ; 97.294,90.58 98.322,90.014 ; 110.878,102.945 112.289,103.179 ; 110.878,102.945 111.996,103.249 ; 110.878,102.945 112.459,103.321 ; 111.125,88.963 112.708,88.607 ; 111.251,89.112 112.708,88.607 ; 111.463,89.208 112.708,88.607 ; 111.61,89.296 112.708,88.607 ; 115.629,91.13 114.845,92.122 115.913,90.752 ; 115.993,95.358 115.245,96.217 116.33,94.94 ; 155.377,57.758 v3(155.392,57.44) ; v3(155.392,57.44) 155.407,57.758 ; 156.878,58.145 156.878,57.554 v3(156.992,57.44) ; 156.878,58.145 v3(156.992,57.44) ; 156.906,57.933 v3(156.992,57.44) ; 156.996,58.746 v3(157.785,57.871) ; 157.522,58.189 v3(157.785,57.871) ; 158.471,58.155 158.471,57.561 v3(158.592,57.44) ; 158.471,58.155 v3(158.592,57.44) ; 158.5,57.936 v3(158.592,57.44) ; 158.592,58.753 v3(159.385,57.871) ; 159.121,58.192 v3(159.385,57.871) ; 160.071,58.155 160.071,57.561 v3(160.192,57.44) ; 160.071,58.155 v3(160.192,57.44) ; 160.1,57.936 v3(160.192,57.44) ; 160.189,58.756 v3(160.985,57.871) ; 160.721,58.192 v3(160.985,57.871) ; 161.671,58.155 161.671,57.561 v3(161.792,57.44) ; 161.671,58.155 v3(161.792,57.44) ; 161.7,57.936 v3(161.792,57.44) ; 161.796,58.749 v3(162.592,57.861) ; 162.327,58.187 v3(162.592,57.861) ; 163.278,58.145 163.278,57.554 v3(163.392,57.44) ; 163.278,58.145 v3(163.392,57.44) ; 163.306,57.933 v3(163.392,57.44) ; 163.385,58.756 v3(164.186,57.871) ; 163.923,58.188 v3(164.186,57.871) ; 164.871,58.155 164.871,57.56 v3(164.992,57.44) ; 164.871,58.155 v3(164.992,57.44) ; 164.901,57.937 v3(164.992,57.44) ; 164.993,58.766 v3(165.837,57.922) ; 166.522,58.206 166.522,57.509 v3(166.592,57.44) ; 166.522,58.206 v3(166.592,57.44) ; 166.545,57.864 v3(166.592,57.44) ; 168.072,58.155 168.072,57.56 v3(168.192,57.44) ; 168.072,58.155 v3(168.192,57.44) ; 168.101,57.938 v3(168.192,57.44) ; 168.211,58.734 v3(169.012,57.846) ; 168.748,58.167 v3(169.012,57.846) ; 169.697,58.13 v3(169.786,57.399) 169.722,57.854 ; 169.829,58.717 v3(170.612,57.795) ; 170.332,58.177 v3(170.612,57.795) ; 198.933,73.569 198.399,73.035 v2(198.399,72.654) 198.933,73.569 ; 198.933,73.569 202.692,73.569 206.35,69.911 210.626,69.911 219.872,79.157 257.293,79.157 263.947,72.502 265.913,72.502 264.151,72.502 ; 204.767,66.279 v1(206.172,66.177) ; 206.172,60.284 v1(206.172,66.177) ; 206.172,60.284 207.188,59.268 v1(207.188,59.065) ; 206.172,60.284 v1(207.188,59.065) ; v1(207.188,59.065) 208.443,58.013 ; 212.319,61.199 v1(212.344,59.802) 212.319,59.776 212.319,64.856 v1(212.344,64.882) 212.319,63.484 ; 216.383,55.255 222.555,61.427 v1(222.504,61.478) 221.385,60.257 ; 264.633,62.046 265.913,60.767 264.633,62.046
  Bottom Layer w0.305: v1(202.197,104.874) 202.197,84.054 203.464,82.787 203.464,82.728 v1(211.557,74.635) ; v1(212.954,54.569) 214.478,56.093 v1(214.478,66.101)
  Bottom Layer w0.381: v1(143.713,54.417) 171.221,54.417 172.618,55.814 v1(172.618,62.951) ; v1@143.769,53.976 145.491,54.417 v1@143.769,54.858 ; v1@172.177,62.896 172.618,61.173 v1@173.059,62.896 ; v1(184.798,64.757) 184.798,64.662 188.982,60.477 v1(189.636,60.477) ; v1(191.287,58.826) 193.548,56.566 v1(193.548,54.813) ; v2@195.147,61.845 196.668,60.772 v2@195.594,62.292 ; v2(195.351,62.088) 197.053,60.386 v2@201.701,60.386 ; v2@201.666,60.727 200.05,60.386 ; v2@201.676,60.095 200.05,60.386 ; v2(201.701,60.411) 200.05,60.386 ; v1@206.883,59.014 v1@207.442,59.014
  Bottom Layer w0.508: v1@107.093,64.257 109.053,65.68 v1@107.63,63.72 ; v1(107.34,63.967) 109.703,66.33 v1(118.161,66.33) ; v1@118.127,65.95 116.002,66.33 v1@118.127,66.709
  Bottom Layer w0.635: v1(117.272,50.302) v1(117.272,55.077) ; v2(186.284,72.121) 186.284,64.11 188.392,62.001 v1(191.287,62.001) ; v1(259.232,113.69) 268.3,104.623 268.3,90.195 263.652,85.547 261.228,85.547 ; 259.779,86.459 261.228,85.547 ; 260.018,86.758 261.228,85.547 ; 260.316,86.996 261.228,85.547
  Bottom Layer w0.762: v1(57.556,67.92) 57.556,104.912 v2(67.945,115.301) 102.413,115.301 102.464,115.352 v2(143.078,115.352) 184.709,115.352 ; v2(70.18,64.729) v2(103.302,64.729) 108.382,59.649 v1(123.647,59.649) ; 70.815,108.316 v2(73.609,108.341) ; v2@73.609,108.316 68.119,108.316 60.983,101.18 60.983,91.38 65.667,86.696 69.323,86.696 69.794,87.167 76.593,87.167 77.017,86.743 ; v1(89.027,65.999) v1(107.34,65.999) 104.419,65.999 ; 99.67,115.301 v2(102.464,115.301) 105.26,115.352 ; 110.017,86.743 109.593,87.167 100.649,87.167 97.979,84.497 66.429,84.497 59.967,90.959 59.967,102.005 67.7,109.738 74.614,109.738 76.24,108.113 93.731,108.113 98.86,113.242 109.447,113.242 ; v2@110.211,114.005 109.447,113.242 ; v2(110.388,114.209) 109.447,113.242 ; 173.172,115.352 v2(175.971,115.275) 178.77,115.352 ; v1(181.762,72.553) 183.21,72.629 v1(193.37,82.789) ; v1(197.206,99.553) 197.206,102.855 184.709,115.352 ; 216.433,115.352 v2(219.227,115.326) 222.022,115.352 ; v2(252.527,114.056) 251.231,115.352 184.709,115.352
  other v1: 179.68,54.483 181.331,54.889

## Polygon pours and split planes (outlines as drawn)
no net on Bottom Layer "Top Layer-No Net" (hatched 45Degree grid 0.508 track 0.203, pour order 8): 54.686,185.456 54.686,116.825 54.483,116.622 275.209,116.622 275.209,185.268
no net on Bottom Layer "Top Layer-No Net" (hatched 45Degree grid 0.508 track 0.203, pour order 7): 54.686,116.622 54.686,47.991 54.483,47.788 275.209,47.788 275.209,116.434
no net on Top Layer "Top Layer-No Net" (hatched 45Degree grid 0.508 track 0.203, pour order 6): 54.686,185.456 54.483,185.252 54.483,116.622 275.209,116.622 275.209,185.456
no net on Top Layer "Top Layer-No Net" (hatched 45Degree grid 0.508 track 0.203, pour order 5): 54.686,116.622 54.483,116.418 54.483,47.788 275.209,47.788 275.209,116.622

## Keep-outs
Keep-Out Layer:
  lines w0.254: 54.483,116.622 54.483,185.456 275.209,185.456 275.209,116.622 ; 54.483,116.622 275.209,116.622 ; 54.483,116.622 275.209,116.622 ; 54.483,116.622 54.483,47.788 275.209,47.788 275.209,116.622

## Silkscreen, mask and mechanical layers (free items; w line width, h text height)
Bottom Overlay:
  text "(~￣▽￣)~    (*/ω╲*)" at 167.127,140.151 h12.7
  text "By:Kombi&TurbineEngine" at 113.106,118.008 h1.52
  text "(~￣▽￣)~    (*/ω╲*)" at 167.127,71.317 h12.7
  text "By:Kombi&TurbineEngine" at 113.106,49.174 h1.52
Mechanical 13:
  lines w0.254: 54.483,116.622 54.483,185.456 275.209,185.456 275.209,116.622 ; 54.483,116.622 275.209,116.622 ; 54.483,116.622 275.209,116.622 ; 54.483,116.622 54.483,47.788 275.209,47.788 275.209,116.622

## Text inside footprints (layer, text, board x,y; h text height)
BT1: Top Overlay "+" at 255.524,138.643 h1.52 r90
BT1_1: Top Overlay "+" at 255.524,69.809 h1.52 r90
C1: Top Overlay "+" at 106.477,123.099 h1 r270
C1_1: Top Overlay "+" at 106.477,54.265 h1 r270
C9: Top Overlay "+" at 72.085,127.112 h1 r180
C9_1: Top Overlay "+" at 72.085,58.278 h1 r180
D1: Top Overlay "+" at 95.326,136.865 h1 r270
D1_1: Top Overlay "+" at 95.326,68.031 h1 r270
D2: Top Overlay "+" at 182.956,137.678 h1 r90
D2_1: Top Overlay "+" at 182.956,68.844 h1 r90
D3: Top Overlay "+" at 72.746,123.505 h1
D3_1: Top Overlay "+" at 72.746,54.671 h1
JP1: Top Overlay "TX" at 268.438,138.051 h1.52; Top Overlay "RX" at 268.488,140.551 h1.52; Top Overlay "GND" at 268.288,135.451 h1.52; Top Overlay "+5V" at 268.188,143.201 h1.52
JP1_1: Top Overlay "TX" at 268.438,69.217 h1.52; Top Overlay "RX" at 268.488,71.717 h1.52; Top Overlay "GND" at 268.288,66.617 h1.52; Top Overlay "+5V" at 268.188,74.367 h1.52
JP2: Top Overlay "GND" at 268.288,123.716 h1.52; Top Overlay "DIO" at 268.488,128.816 h1.52; Top Overlay "+5V" at 268.188,131.466 h1.52; Top Overlay "CLK" at 268.438,126.316 h1.52
JP2_1: Top Overlay "GND" at 268.288,54.882 h1.52; Top Overlay "DIO" at 268.488,59.982 h1.52; Top Overlay "+5V" at 268.188,62.632 h1.52; Top Overlay "CLK" at 268.438,57.482 h1.52
U2: Mechanical 1 "9" at 112.116,127.34 h1.27 r270
U2_1: Mechanical 1 "9" at 112.116,58.506 h1.27 r270